# Altium PCB Temp_meter_16CH.PcbDoc (part 1 of 4)
Units mm, origin at the board's own origin, x right, y up, seen from the top; angles counter-clockwise.
Board outline 110 x 150 mm, 2 copper layers (Top Layer, Bottom Layer); 521 components, 394 nets, 1514 pads, 524 vias.
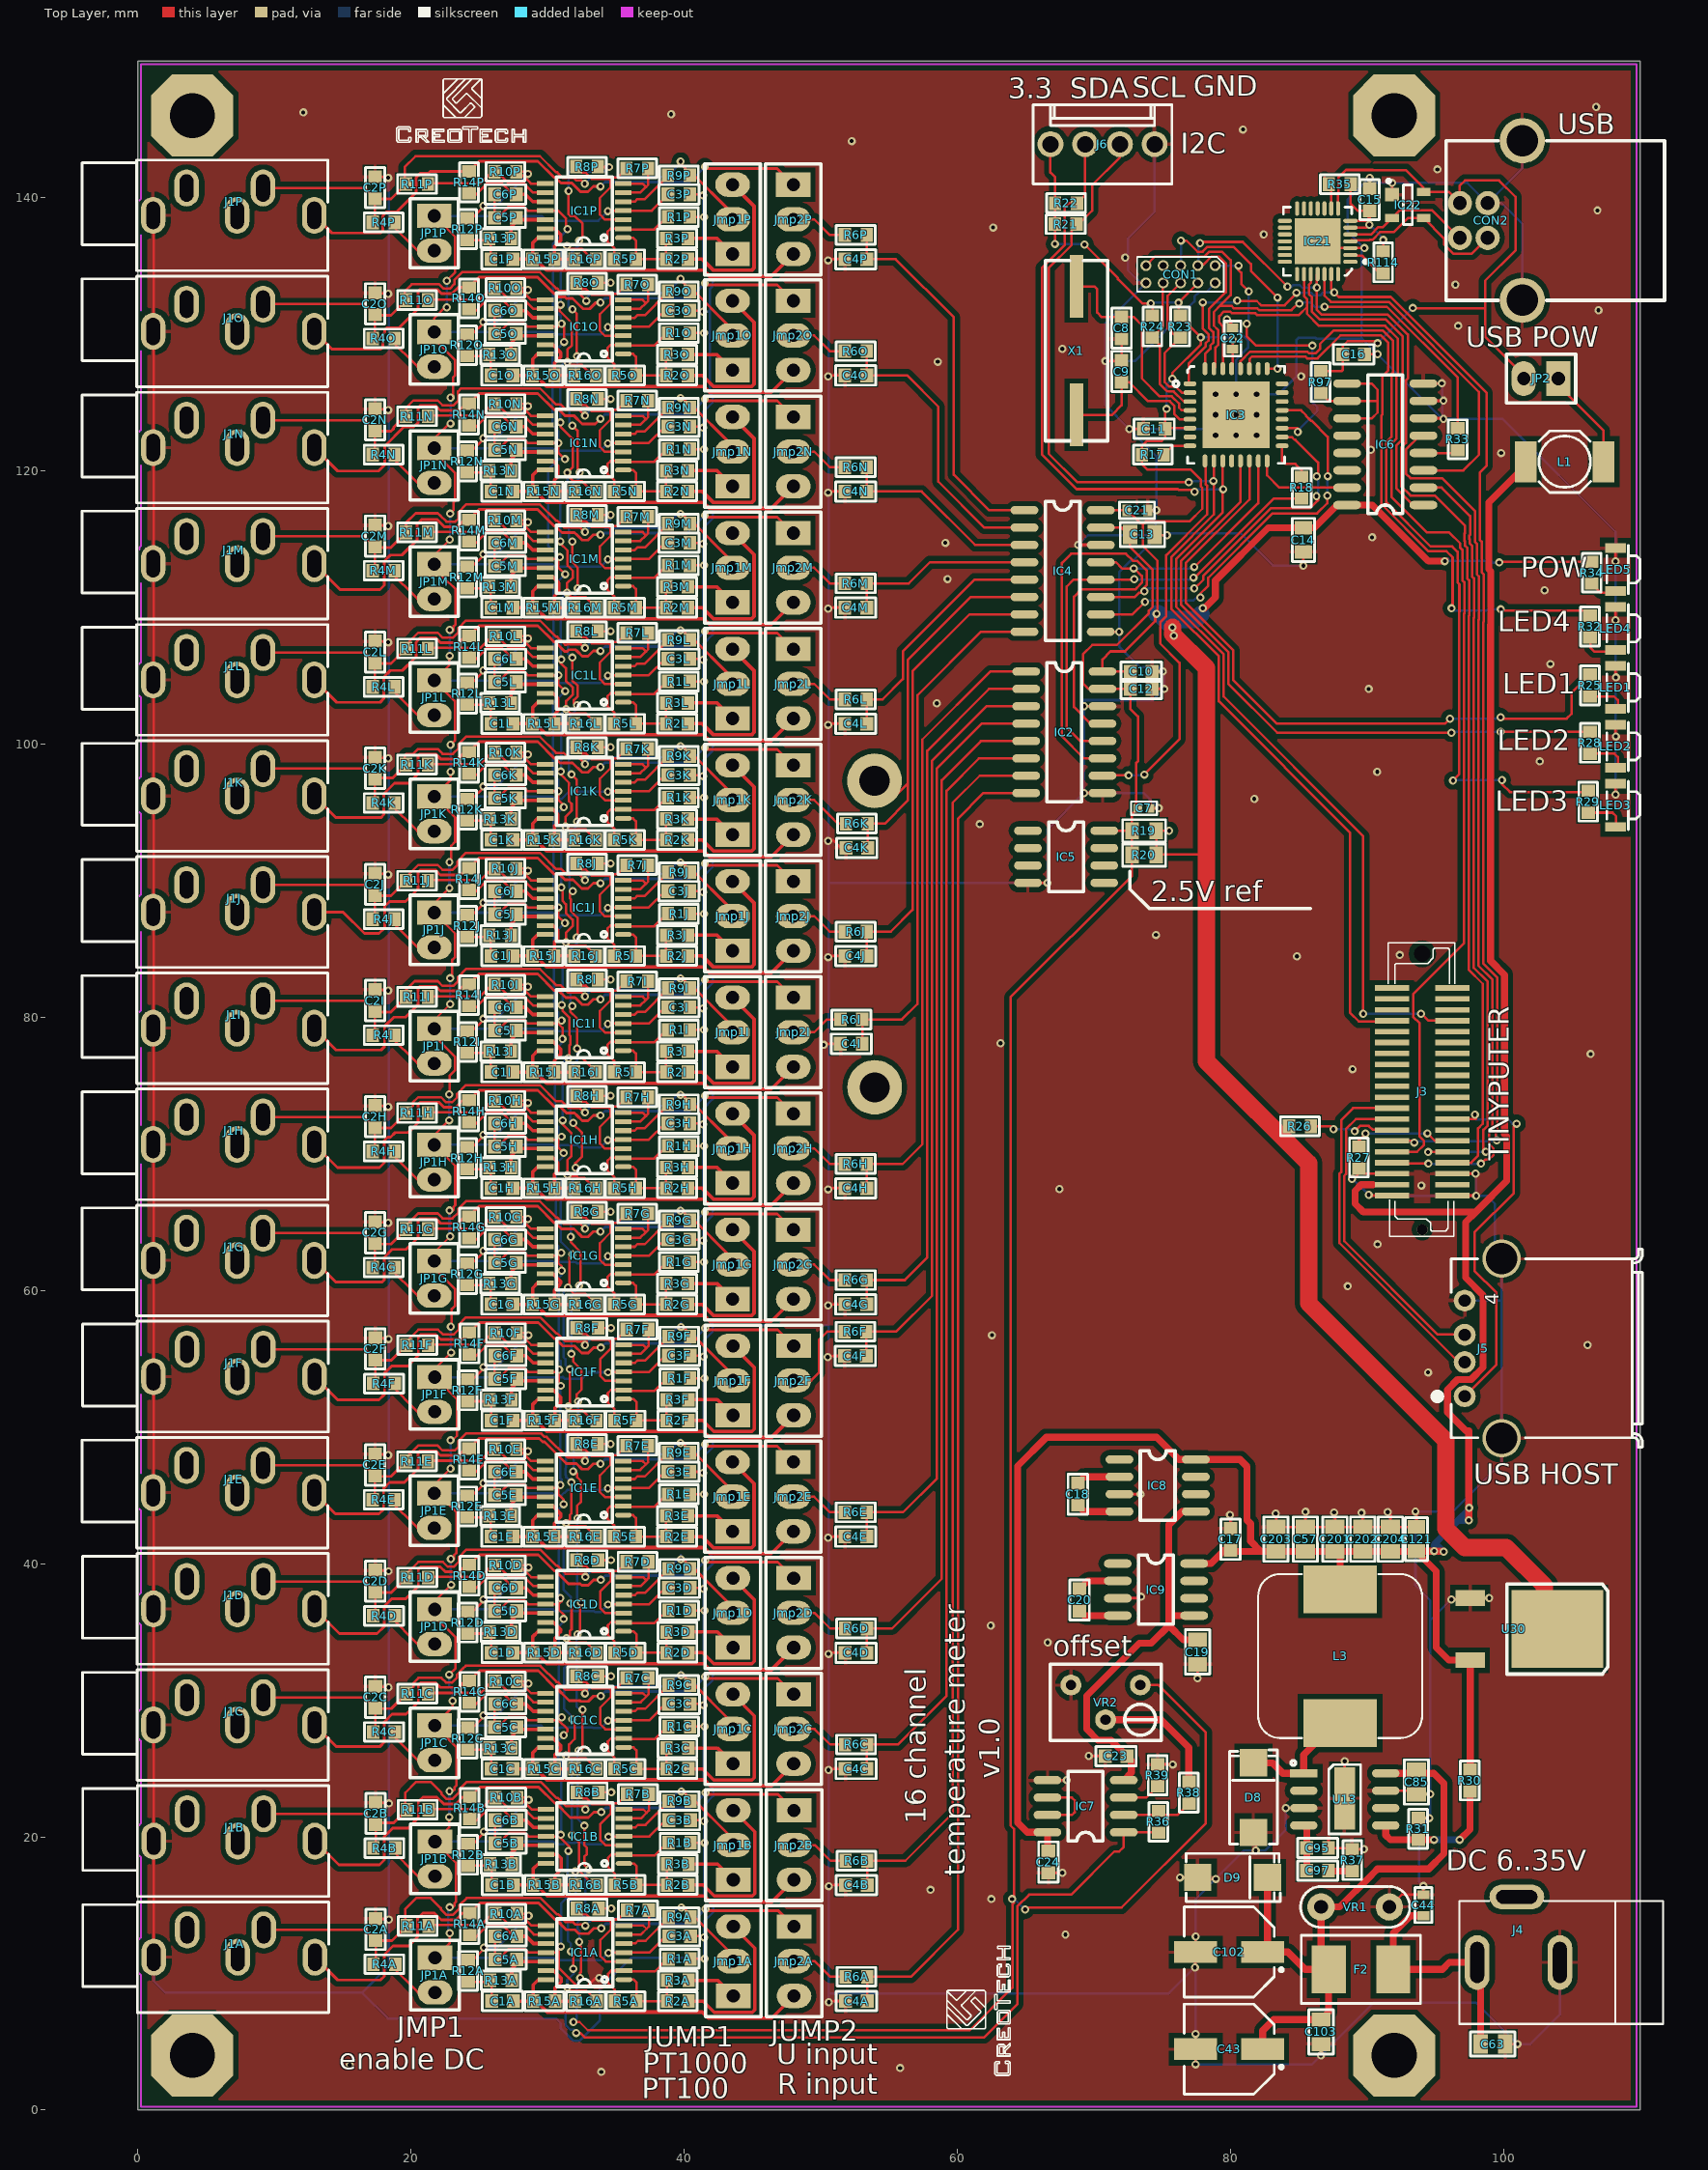
[diagram p0: Top Layer view]
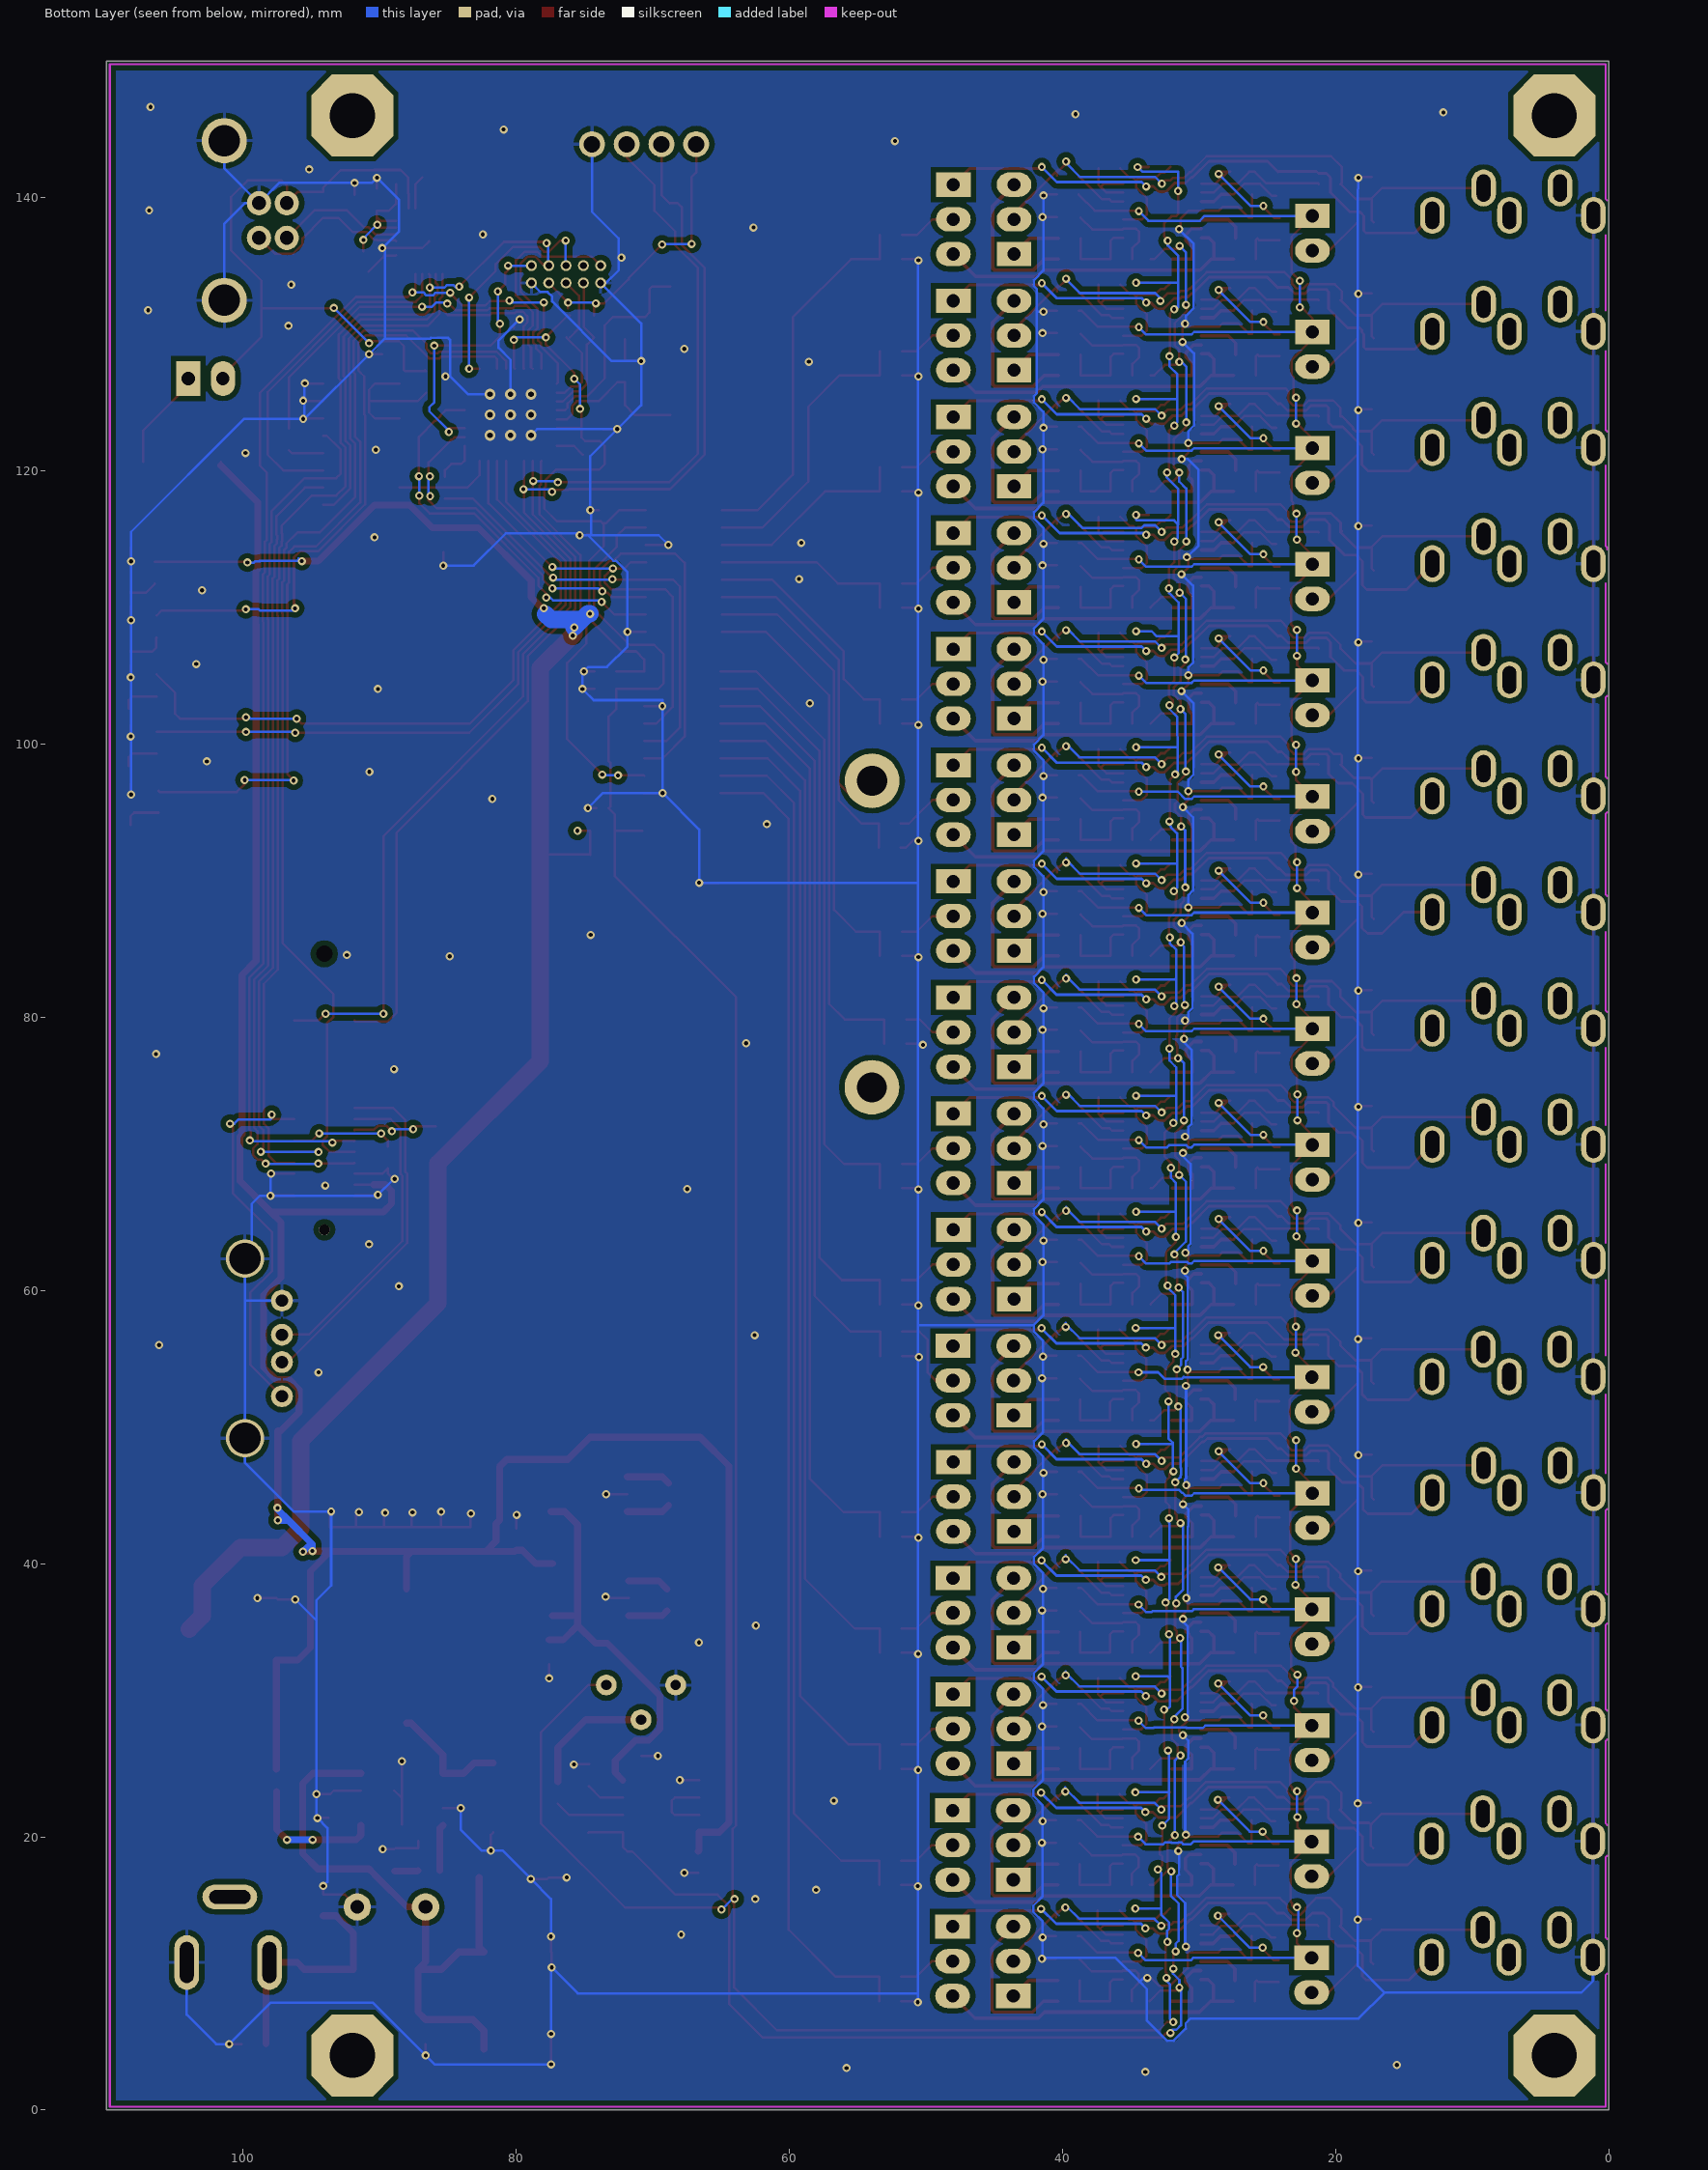
[diagram p1: Bottom Layer view, seen from below]
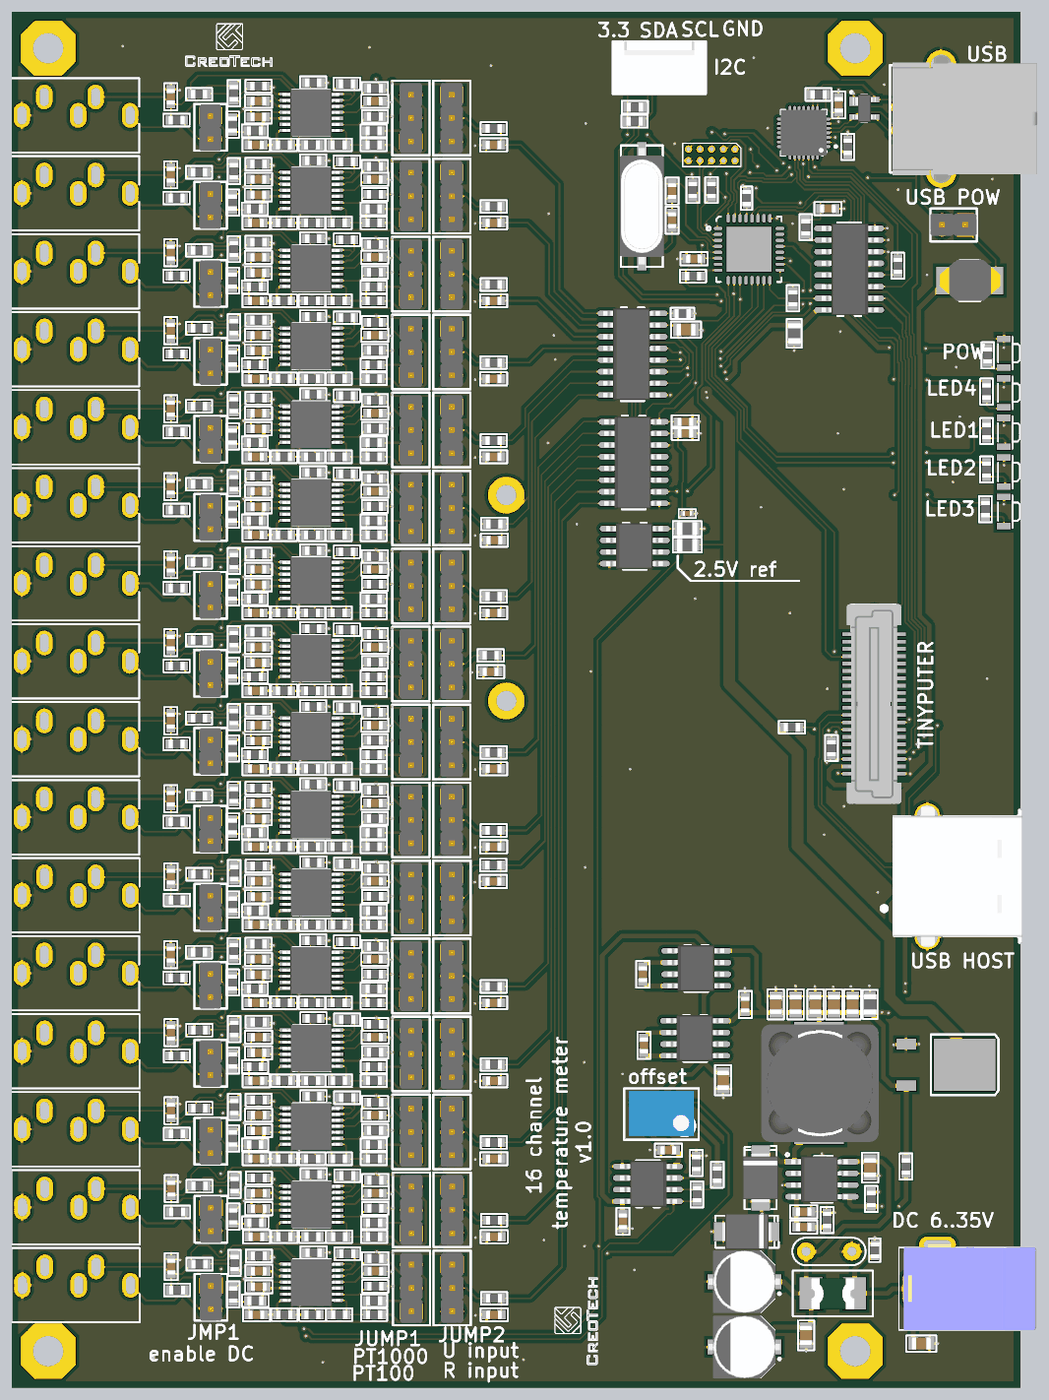
[diagram p5: 3D render of the assembled board from above, using the file's embedded part models]

## Layer stack, top to bottom
Top Layer: signal copper 0.0356
Dielectric: dielectric 0.32, FR-4, Dk 4.8
Bottom Layer: signal copper 0.0356

## Board outline
0,0 110,0 110,150 0,150

## Design rules (kind name [scope] priority, off if disabled: settings)
Clearance Clearance_1 [(InPolygon)] p1: gap=0.381
Clearance [All] p2: gap=0.178
ComponentClearance [All] p1 off: gap=0.254 collisioncheckmode=3 verticalgap=0.254 showdistances=FALSE
Height [All] p1 off: minheight=0 maxheight=25.4 prefheight=12.7
HoleSize [All] p1: absolutevalues=TRUE maxlimit=5 minlimit=0.2 maxpercent=80.000 minpercent=20.000
MinimumSolderMaskSliver [All] p1 off: minsoldermaskwidth=0.254
PolygonConnect PolygonConnect_pad [(InPadClass('All Pads'))] p1: connectstyle=Relief reliefconductorwidth=0.254 reliefentries=4 polygonreliefangle="90 Angle"
PolygonConnect [All] p2: connectstyle=Direct reliefconductorwidth=0.254 reliefentries=4 polygonreliefangle="90 Angle"
RoomDefinition U_USB_IFC [InComponentClass('U_USB_IFC')] p1 off: confinementstyle=ConfineIn formatcopy=TRUE lockcomponents=FALSE outline 110.65,111.858 75.65,111.858 75.65,150.358 110.65,150.358
RoomDefinition U_Tinyputer_IFC [InComponentClass('U_Tinyputer_IFC')] p2 off: confinementstyle=ConfineIn formatcopy=TRUE lockcomponents=FALSE outline 70.65,41.358 56.65,41.358 56.65,1.858 70.65,1.858
RoomDefinition U_SUPPLY [InComponentClass('U_SUPPLY')] p3 off: confinementstyle=ConfineIn formatcopy=TRUE lockcomponents=FALSE outline 109.15,-0.142 73.65,-0.142 73.65,64.358 109.15,64.358
RoomDefinition U_meter_channel16 [InComponentClass('U_meter_channel16')] p4 off: confinementstyle=ConfineIn formatcopy=TRUE lockcomponents=FALSE outline -0.025,134 54.225,134 54.225,143.25 -0.025,143.25
RoomDefinition U_meter_channel15 [InComponentClass('U_meter_channel15')] p5 off: confinementstyle=ConfineIn formatcopy=TRUE lockcomponents=FALSE outline -0.025,125.5 54.225,125.5 54.225,134.75 -0.025,134.75
RoomDefinition U_meter_channel14 [InComponentClass('U_meter_channel14')] p6 off: confinementstyle=ConfineIn formatcopy=TRUE lockcomponents=FALSE outline -0.025,117 54.225,117 54.225,126.25 -0.025,126.25
RoomDefinition U_meter_channel13 [InComponentClass('U_meter_channel13')] p7 off: confinementstyle=ConfineIn formatcopy=TRUE lockcomponents=FALSE outline -0.025,108.5 54.225,108.5 54.225,117.75 -0.025,117.75
RoomDefinition U_meter_channel12 [InComponentClass('U_meter_channel12')] p8 off: confinementstyle=ConfineIn formatcopy=TRUE lockcomponents=FALSE outline -0.025,100 54.225,100 54.225,109.25 -0.025,109.25
RoomDefinition U_meter_channel11 [InComponentClass('U_meter_channel11')] p9 off: confinementstyle=ConfineIn formatcopy=TRUE lockcomponents=FALSE outline -0.025,91.5 54.225,91.5 54.225,100.75 -0.025,100.75
RoomDefinition U_meter_channel10 [InComponentClass('U_meter_channel10')] p10 off: confinementstyle=ConfineIn formatcopy=TRUE lockcomponents=FALSE outline -0.025,83 54.225,83 54.225,92.25 -0.025,92.25
RoomDefinition U_meter_channel9 [InComponentClass('U_meter_channel9')] p11 off: confinementstyle=ConfineIn formatcopy=TRUE lockcomponents=FALSE outline -0.025,74.5 54.225,74.5 54.225,83.75 -0.025,83.75
RoomDefinition U_meter_channel8 [InComponentClass('U_meter_channel8')] p12 off: confinementstyle=ConfineIn formatcopy=TRUE lockcomponents=FALSE outline -0.025,66 54.225,66 54.225,75.25 -0.025,75.25
RoomDefinition U_meter_channel7 [InComponentClass('U_meter_channel7')] p13 off: confinementstyle=ConfineIn formatcopy=TRUE lockcomponents=FALSE outline -0.025,57.5 54.225,57.5 54.225,66.75 -0.025,66.75
RoomDefinition U_meter_channel6 [InComponentClass('U_meter_channel6')] p14 off: confinementstyle=ConfineIn formatcopy=TRUE lockcomponents=FALSE outline 0,49 54.25,49 54.25,58.25 0,58.25
RoomDefinition U_meter_channel5 [InComponentClass('U_meter_channel5')] p15 off: confinementstyle=ConfineIn formatcopy=TRUE lockcomponents=FALSE outline -0.025,40.5 54.225,40.5 54.225,49.75 -0.025,49.75
RoomDefinition U_meter_channel4 [InComponentClass('U_meter_channel4')] p16 off: confinementstyle=ConfineIn formatcopy=TRUE lockcomponents=FALSE outline 0,32 54.25,32 54.25,41.25 0,41.25
RoomDefinition U_meter_channel3 [InComponentClass('U_meter_channel3')] p17 off: confinementstyle=ConfineIn formatcopy=TRUE lockcomponents=FALSE outline 0,23.5 54.25,23.5 54.25,32.75 0,32.75
RoomDefinition U_meter_channel2 [InComponentClass('U_meter_channel2')] p18 off: confinementstyle=ConfineIn formatcopy=TRUE lockcomponents=FALSE outline 0.025,15 54.275,15 54.275,24.25 0.025,24.25
RoomDefinition U_meter_channel1 [InComponentClass('U_meter_channel1')] p19 off: confinementstyle=ConfineIn formatcopy=TRUE lockcomponents=FALSE outline 0.025,6.5 54.275,6.5 54.275,15.75 0.025,15.75
RoomDefinition U_CPU [InComponentClass('U_CPU')] p20 off: confinementstyle=ConfineIn formatcopy=TRUE lockcomponents=FALSE outline 62.65,105.358 98.15,105.358 98.15,138.358 62.65,138.358
RoomDefinition temp_meter_meas_block [InComponentClass('temp_meter_meas_block')] p21 off: confinementstyle=ConfineIn formatcopy=TRUE lockcomponents=FALSE outline 110.15,68.358 101.15,68.358 101.15,91.358 110.15,91.358
RoutingVias [All] p1: holewidth=0.3 width=0.6 viastyle="Through Hole" minholewidth=0.3 minwidth=0.6 maxholewidth=0.711 maxwidth=1.27
SilkToSilkClearance [All] p1 off: silktosilkclearance=0.254
SilkscreenOverComponentPads [All] p1: minsilkscreentomaskgap=0
SolderMaskExpansion [All] p1: expansion=0.102
ViasUnderSMD [All] p1: allowed=FALSE
Width [All] p1: maxlimit=2.54 minlimit=0.178 preferedwidth=0.254
22 further rules are at their usual default settings.

## Classes and differential pairs
component class U_USB_IFC: C15 C16 CON2 IC21 IC22 JP2 L1 R35 R97 R114
component class U_Tinyputer_IFC: J3
component class U_meter_channel5: C1E C2E C3E C4E C5E C6E IC1E J1E Jmp1E Jmp2E JP1E R1E R2E R3E R4E R5E R6E R7E R8E R9E R10E R11E R12E R13E R14E R15E R16E
component class U_meter_channel4: C1D C2D C3D C4D C5D C6D IC1D J1D Jmp1D Jmp2D JP1D R1D R2D R3D R4D R5D R6D R7D R8D R9D R10D R11D R12D R13D R14D R15D R16D
component class U_meter_channel3: C1C C2C C3C C4C C5C C6C IC1C J1C Jmp1C Jmp2C JP1C R1C R2C R3C R4C R5C R6C R7C R8C R9C R10C R11C R12C R13C R14C R15C R16C
component class U_meter_channel2: C1B C2B C3B C4B C5B C6B IC1B J1B Jmp1B Jmp2B JP1B R1B R2B R3B R4B R5B R6B R7B R8B R9B R10B R11B R12B R13B R14B R15B R16B
component class U_meter_channel1: C1A C2A C3A C4A C5A C6A IC1A J1A Jmp1A Jmp2A JP1A R1A R2A R3A R4A R5A R6A R7A R8A R9A R10A R11A R12A R13A R14A R15A R16A
component class temp_meter_meas_block: C7 C10 C11 C12 C13 C17 C18 C19 C20 C23 C24 IC2 IC4 IC5 IC6 IC7 IC8 IC9 J5 J6 R18 R19 R20 R26 R27 R36 R38 R39 VR2
component class U_CPU: C8 C9 C21 C22 CON1 IC3 LED1 LED2 LED3 LED4 LED5 R17 R21 R22 R23 R24 R25 R28 R29 R32 R33 R34 X1
component class U_SUPPLY: C14 C43 C44 C57 C63 C85 C95 C97 C102 C103 C121 C201 C202 C203 C204 D8 D9 F2 J4 L3 R30 R31 R37 U13 U30 VR1
net class TEMP_OUT[1..16]: TEMP_OUT1 TEMP_OUT2 TEMP_OUT3 TEMP_OUT4 TEMP_OUT5 TEMP_OUT6 TEMP_OUT7 TEMP_OUT8 TEMP_OUT9 TEMP_OUT10 TEMP_OUT11 TEMP_OUT12 TEMP_OUT13 TEMP_OUT14 TEMP_OUT15 TEMP_OUT16
channel class meter_channel: U_meter_channel1 U_meter_channel2 U_meter_channel3 U_meter_channel4 U_meter_channel5 U_meter_channel6 U_meter_channel7 U_meter_channel8 U_meter_channel9 U_meter_channel10 U_meter_channel11 U_meter_channel12 U_meter_channel13 U_meter_channel14 U_meter_channel15 U_meter_channel16
component class U_meter_channel6: C1F C2F C3F C4F C5F C6F IC1F J1F Jmp1F Jmp2F JP1F R1F R2F R3F R4F R5F R6F R7F R8F R9F R10F R11F R12F R13F R14F R15F R16F
component class U_meter_channel7: C1G C2G C3G C4G C5G C6G IC1G J1G Jmp1G Jmp2G JP1G R1G R2G R3G R4G R5G R6G R7G R8G R9G R10G R11G R12G R13G R14G R15G R16G
component class U_meter_channel8: C1H C2H C3H C4H C5H C6H IC1H J1H Jmp1H Jmp2H JP1H R1H R2H R3H R4H R5H R6H R7H R8H R9H R10H R11H R12H R13H R14H R15H R16H
component class U_meter_channel9: C1I C2I C3I C4I C5I C6I IC1I J1I Jmp1I Jmp2I JP1I R1I R2I R3I R4I R5I R6I R7I R8I R9I R10I R11I R12I R13I R14I R15I R16I
component class U_meter_channel10: C1J C2J C3J C4J C5J C6J IC1J J1J Jmp1J Jmp2J JP1J R1J R2J R3J R4J R5J R6J R7J R8J R9J R10J R11J R12J R13J R14J R15J R16J
component class U_meter_channel11: C1K C2K C3K C4K C5K C6K IC1K J1K Jmp1K Jmp2K JP1K R1K R2K R3K R4K R5K R6K R7K R8K R9K R10K R11K R12K R13K R14K R15K R16K
component class U_meter_channel12: C1L C2L C3L C4L C5L C6L IC1L J1L Jmp1L Jmp2L JP1L R1L R2L R3L R4L R5L R6L R7L R8L R9L R10L R11L R12L R13L R14L R15L R16L
component class U_meter_channel13: C1M C2M C3M C4M C5M C6M IC1M J1M Jmp1M Jmp2M JP1M R1M R2M R3M R4M R5M R6M R7M R8M R9M R10M R11M R12M R13M R14M R15M R16M
component class U_meter_channel14: C1N C2N C3N C4N C5N C6N IC1N J1N Jmp1N Jmp2N JP1N R1N R2N R3N R4N R5N R6N R7N R8N R9N R10N R11N R12N R13N R14N R15N R16N
component class U_meter_channel15: C1O C2O C3O C4O C5O C6O IC1O J1O Jmp1O Jmp2O JP1O R1O R2O R3O R4O R5O R6O R7O R8O R9O R10O R11O R12O R13O R14O R15O R16O
component class U_meter_channel16: C1P C2P C3P C4P C5P C6P IC1P J1P Jmp1P Jmp2P JP1P R1P R2P R3P R4P R5P R6P R7P R8P R9P R10P R11P R12P R13P R14P R15P R16P

## Components (designator, comment, footprint, x,y, rotation, side; value= is the part's Value field where it differs from the comment)
C1A "u1" 0603C 26.714,7.978 r0 top (schematic designator C1)
C1B "u1" 0603C 26.714,16.478 r0 top (schematic designator C1)
C1C "u1" 0603C 26.689,24.978 r0 top (schematic designator C1)
C1D "u1" 0603C 26.689,33.478 r0 top (schematic designator C1)
C1E "u1" 0603C 26.664,41.978 r0 top (schematic designator C1)
C1F "u1" 0603C 26.689,50.478 r0 top (schematic designator C1)
C1G "u1" 0603C 26.664,58.978 r0 top (schematic designator C1)
C1H "u1" 0603C 26.664,67.478 r0 top (schematic designator C1)
C1I "u1" 0603C 26.664,75.978 r0 top (schematic designator C1)
C1J "u1" 0603C 26.664,84.478 r0 top (schematic designator C1)
C1K "u1" 0603C 26.664,92.978 r0 top (schematic designator C1)
C1L "u1" 0603C 26.664,101.478 r0 top (schematic designator C1)
C1M "u1" 0603C 26.664,109.978 r0 top (schematic designator C1)
C1N "u1" 0603C 26.664,118.478 r0 top (schematic designator C1)
C1O "u1" 0603C 26.664,126.978 r0 top (schematic designator C1)
C1P "u1" 0603C 26.664,135.478 r0 top (schematic designator C1)
C2A "u1" 0603C 17.424,13.22 r90 top (schematic designator C2)
C2B "u1" 0603C 17.424,21.72 r90 top (schematic designator C2)
C2C "u1" 0603C 17.399,30.22 r90 top (schematic designator C2)
C2D "u1" 0603C 17.399,38.72 r90 top (schematic designator C2)
C2E "u1" 0603C 17.374,47.22 r90 top (schematic designator C2)
C2F "u1" 0603C 17.399,55.72 r90 top (schematic designator C2)
C2G "u1" 0603C 17.374,64.22 r90 top (schematic designator C2)
C2H "u1" 0603C 17.374,72.72 r90 top (schematic designator C2)
C2I "u1" 0603C 17.374,81.22 r90 top (schematic designator C2)
C2J "u1" 0603C 17.374,89.72 r90 top (schematic designator C2)
C2K "u1" 0603C 17.374,98.22 r90 top (schematic designator C2)
C2L "u1" 0603C 17.374,106.72 r90 top (schematic designator C2)
C2M "u1" 0603C 17.374,115.22 r90 top (schematic designator C2)
C2N "u1" 0603C 17.374,123.72 r90 top (schematic designator C2)
C2O "u1" 0603C 17.374,132.22 r90 top (schematic designator C2)
C2P "u1" 0603C 17.374,140.72 r90 top (schematic designator C2)
C3A "u1" 0603C 39.676,12.724 r0 top (schematic designator C3)
C3B "u1" 0603C 39.676,21.224 r0 top (schematic designator C3)
C3C "u1" 0603C 39.651,29.724 r0 top (schematic designator C3)
C3D "u1" 0603C 39.651,38.224 r0 top (schematic designator C3)
C3E "u1" 0603C 39.626,46.724 r0 top (schematic designator C3)
C3F "u1" 0603C 39.651,55.224 r0 top (schematic designator C3)
C3G "u1" 0603C 39.626,63.724 r0 top (schematic designator C3)
C3H "u1" 0603C 39.626,72.224 r0 top (schematic designator C3)
C3I "u1" 0603C 39.626,80.724 r0 top (schematic designator C3)
C3J "u1" 0603C 39.626,89.224 r0 top (schematic designator C3)
C3K "u1" 0603C 39.626,97.724 r0 top (schematic designator C3)
C3L "u1" 0603C 39.626,106.224 r0 top (schematic designator C3)
C3M "u1" 0603C 39.626,114.724 r0 top (schematic designator C3)
C3N "u1" 0603C 39.626,123.224 r0 top (schematic designator C3)
C3O "u1" 0603C 39.626,131.724 r0 top (schematic designator C3)
C3P "u1" 0603C 39.626,140.224 r0 top (schematic designator C3)
C4A "u1" 0603C 52.622,7.978 r0 top (schematic designator C4)
C4B "u1" 0603C 52.622,16.478 r0 top (schematic designator C4)
C4C "u1" 0603C 52.597,24.978 r0 top (schematic designator C4)
C4D "u1" 0603C 52.597,33.478 r0 top (schematic designator C4)
C4E "u1" 0603C 52.572,41.978 r0 top (schematic designator C4)
C4F "u1" 0603C 52.547,55.203 r0 top (schematic designator C4)
C4G "u1" 0603C 52.572,58.978 r0 top (schematic designator C4)
C4H "u1" 0603C 52.572,67.478 r0 top (schematic designator C4)
C4I "u1" 0603C 52.247,78.053 r0 top (schematic designator C4)
C4J "u1" 0603C 52.572,84.478 r0 top (schematic designator C4)
C4K "u1" 0603C 52.654,92.39 r0 top (schematic designator C4)
C4L "u1" 0603C 52.572,101.478 r0 top (schematic designator C4)
C4M "u1" 0603C 52.572,109.978 r0 top (schematic designator C4)
C4N "u1" 0603C 52.572,118.478 r0 top (schematic designator C4)
C4O "u1" 0603C 52.572,126.978 r0 top (schematic designator C4)
C4P "u1" 0603C 52.572,135.478 r0 top (schematic designator C4)
C5A "u1" 0603C 26.968,11.026 r0 top (schematic designator C5)
C5B "u1" 0603C 26.968,19.526 r0 top (schematic designator C5)
C5C "u1" 0603C 26.943,28.026 r0 top (schematic designator C5)
C5D "u1" 0603C 26.943,36.526 r0 top (schematic designator C5)
C5E "u1" 0603C 26.918,45.026 r0 top (schematic designator C5)
C5F "u1" 0603C 26.943,53.526 r0 top (schematic designator C5)
C5G "u1" 0603C 26.918,62.026 r0 top (schematic designator C5)
C5H "u1" 0603C 26.918,70.526 r0 top (schematic designator C5)
C5I "u1" 0603C 26.918,79.026 r0 top (schematic designator C5)
C5J "u1" 0603C 26.918,87.526 r0 top (schematic designator C5)
C5K "u1" 0603C 26.918,96.026 r0 top (schematic designator C5)
C5L "u1" 0603C 26.918,104.526 r0 top (schematic designator C5)
C5M "u1" 0603C 26.918,113.026 r0 top (schematic designator C5)
C5N "u1" 0603C 26.918,121.526 r0 top (schematic designator C5)
C5O "u1" 0603C 26.918,130.026 r0 top (schematic designator C5)
C5P "u1" 0603C 26.918,138.526 r0 top (schematic designator C5)
C6A "u1" 0603C 26.976,12.724 r180 top (schematic designator C6)
C6B "u1" 0603C 26.976,21.224 r180 top (schematic designator C6)